# Altium PCB back3_STM32F405.PcbDoc (part 3 of 4) (continued)
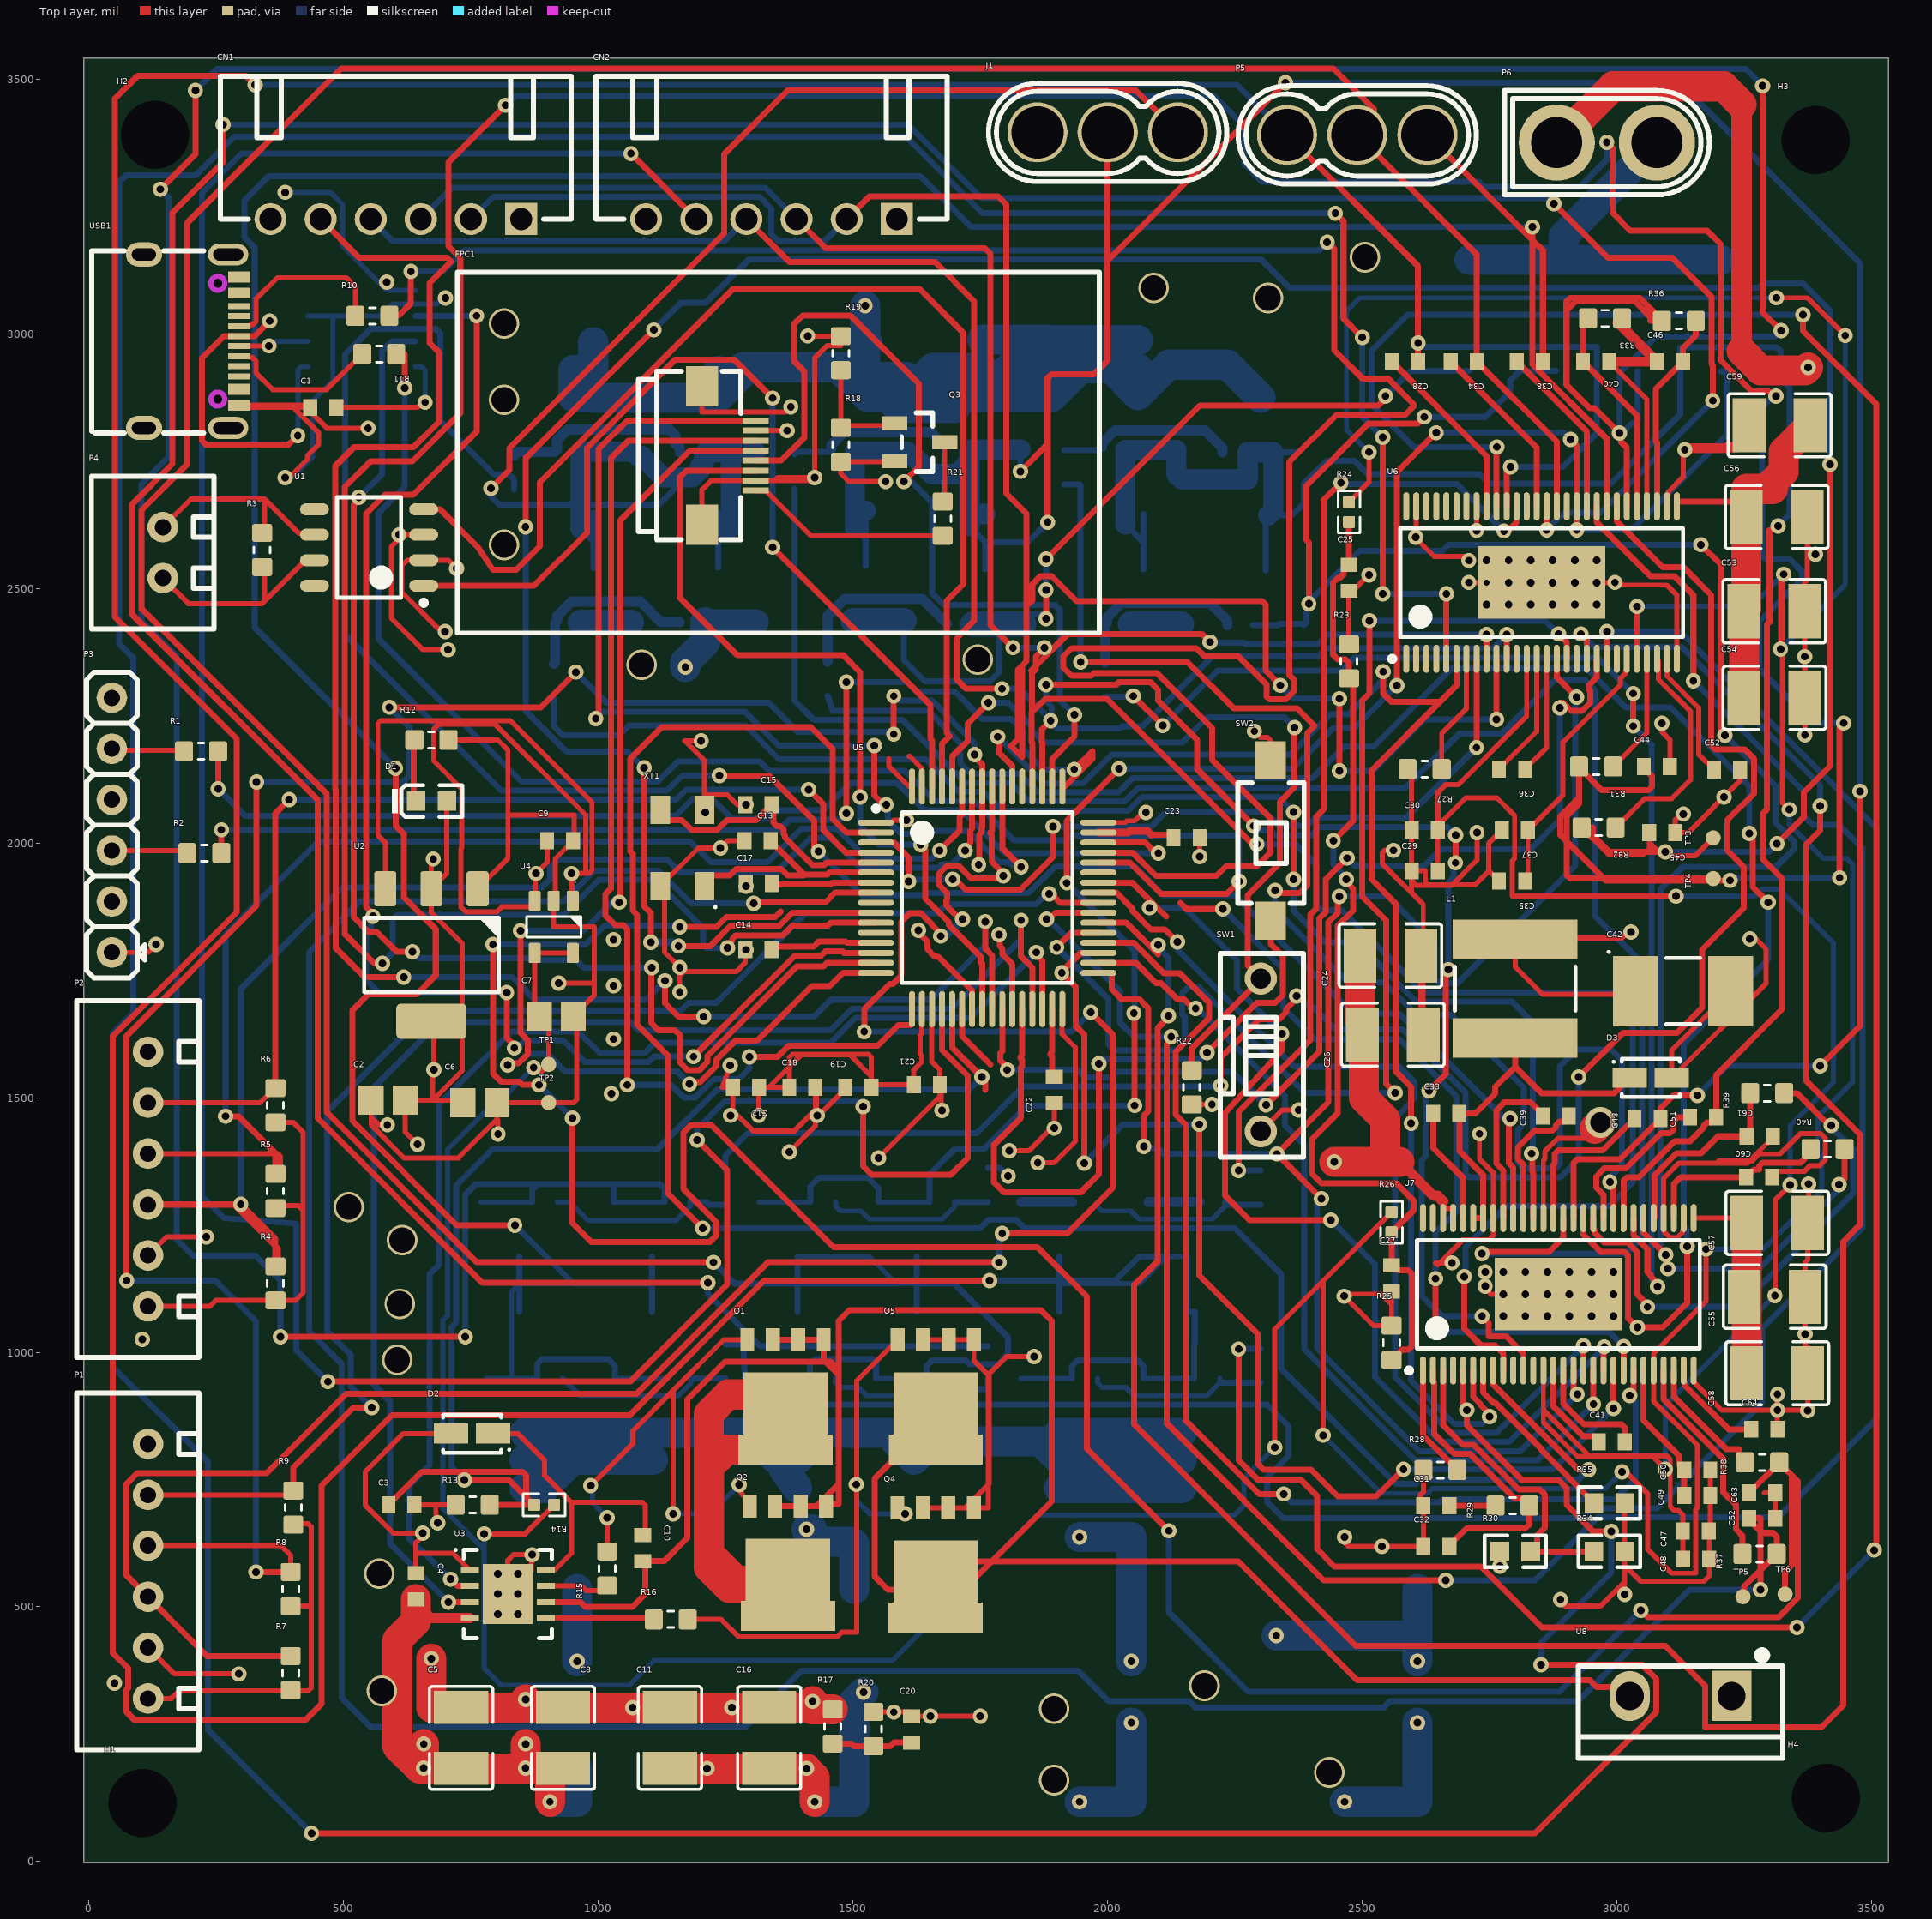
[diagram p0: Top Layer view]
## Nets (pads, with @x,y where several pads share a name; then routed paths per layer and width w, separated by ;. In a path a pad name is that pad's centre, name@x,y a point inside that pad or via, vN(x,y) a via of type N, cw(c..) or ccw(c..) an arc to the next point about the centre after c; other vN are vias at no path point) (continued)
SH_A_3: C28.1 P5.1 Q8.D Q9.S Q12.D Q13.S U6.46 | length 10811.2
  Top Layer w11.81: v1(325.99,3488.39) 307.99,3506.39 95.99,3506.39 50.99,3461.39 50.99,2443.39 289.99,2204.39 289.99,1863.39 46.99,1620.39 46.99,409.39 76.99,379.39 76.99,340.39 73.99,337.39 73.99,293.39 89.99,277.39 424.99,277.39 456.99,309.39 456.99,738.39 594.99,876.39 1061.49,876.39 1325.49,1140.39 v1(1767.99,1140.39) ; P5.1@2352.2,3390 2609.52,3132.69 v1(2609.52,2981.39) C28.1@2609.52,2945.01 ; U6.46@2783.18,2660.78 2783.18,2730.58 v1(2790.99,2738.39)
  Bottom Layer w10: Q13.S@1830,948.98 Q13.S@1880,948.98 Q13.S@1930,948.98 ; Q12.D@1905.27,1134.57 2062.48,1134.57 2115.63,1187.72 Q8.D@2155,1187.72 ; Q9.S@2070,948.98 Q9.S@2120,948.98 Q9.S@2170,948.98
  Bottom Layer w11.81: v1(325.99,3488.39) 2253.81,3488.39 P5.1@2352.2,3390 ; v1(1767.99,1140.39) Q12.D@1905.27,1140.39 ; Q12.D@1905.27,1079.45 Q12.D@1905.27,1134.57 Q12.D@1905.27,1140.39 ; Q12.D@1905.27,1187.72 Q12.D@1905.27,1140.39 ; Q13.S@1930,948.98 1930,973.39 1941,984.39 2059,984.39 2070,973.39 Q9.S@2070,948.98 ; Q8.D@2115.63,1187.72 2061.99,1187.72 2014.66,1140.39 Q12.D@1905.27,1140.39 ; Q8.D@2155,1187.72 Q8.D@2155,1134.57 Q8.D@2155,1079.45 2170.99,1079.45 2170.99,1018.39 2170,1017.4 Q9.S@2170,948.98 ; v1(2609.52,2981.39) 2616.52,2974.39 2959.99,2974.39 2959.99,2804.39 2893.99,2738.39 v1(2790.99,2738.39)
SH_B_2: C43.1 J1.2 Q14.D Q15.S Q18.S Q19.D U7.41 | length 6120.3
  Top Layer w11.81: v1(1828.78,2729.39) 1882.24,2782.85 ; v1(1882.24,2629.39) 1882.24,2782.85 ; J1.2@2000,3395 2000,3143.4 ; v1(2348.99,3492.39) 2000,3143.4 ; U7.41@2914.43,1263.45 2914.43,1371.92 2921.35,1378.84 3005.5,1378.84 3074.67,1448.02 3077.62,1448.02 3085.5,1455.89 C43.1@3085.5,1458.84 3085.5,1478.9 3110.99,1504.39 v1(3157.99,1504.39) ; v1(3398.99,1562.39) 3476.99,1640.39 v1(3476.99,2101.39) ; 1882.24,2782.85 1882.24,2913.08 1889.16,2920 1973.08,2920 1993.08,2940 2000,2946.92 2000,3143.4
  Bottom Layer w11.81: Q19.D@1503.33,2618.64 Q19.D@1525,2596.97 ; Q19.D@1525,2543.82 Q19.D@1525,2596.97 ; Q19.D@1525,2652.09 Q19.D@1525,2596.97 ; Q14.D@1728.78,2621.65 1732.44,2617.99 Q14.D@1760,2590.43 ; Q15.S@1728.78,2772.05 Q15.S@1728.78,2772.44 ; Q14.D@1760,2537.28 Q14.D@1760,2590.43 ; v1(1828.78,2729.39) 1828.78,2772.05 Q15.S@1828.78,2772.44 ; v1(1882.24,2629.39) 1843.28,2590.43 Q14.D@1760,2590.43 ; v1(2348.99,3492.39) 3122.99,3492.39 3476.99,3138.39 v1(3476.99,2101.39) ; v1(3157.99,1504.39) 3215.99,1562.39 v1(3398.99,1562.39)
  Bottom Layer w40: Q19.D@1503.33,2618.64 Q19.D@1503.33,2652.09 ; Q19.D@1525,2652.09 1512.86,2652.09 1503.33,2661.62 Q18.S@1503.33,2768.07 Q18.S@1553.33,2768.07 Q18.S@1606.92,2768.07 ; Q18.S@1603.33,2768.07 Q18.S@1606.92,2768.07 ; Q14.D@1728.78,2621.65 Q14.D@1728.78,2645.55 ; 1728.78,2740 1719.52,2740 1703.33,2723.8 1654.23,2723.8 1618.82,2759.21 1615.77,2759.21 Q18.S@1606.92,2768.07 ; Q15.S@1728.78,2772.05 1728.78,2739.03 Q14.D@1728.78,2645.55 ; Q15.S@1728.78,2772.44 Q15.S@1828.78,2772.44 ; Q14.D@1760,2645.55 Q14.D@1728.78,2645.55
SH_B_3: C34.1 P5.2 Q16.D Q17.S Q20.D Q21.S U6.41 | length 7980.5
  Top Layer w11.81: v1(1225.99,1176.39) 761.71,1176.39 466.57,1471.54 466.57,2096.49 102.99,2460.06 102.99,2653.39 191.99,2742.39 191.99,3216.87 495.51,3520.39 2442.99,3520.39 2522.99,3440.39 P5.2@2522.99,3357.02 ; P5.2@2490.01,3390 P5.2@2522.99,3357.02 ; U6.41@2881.6,2660.78 2881.6,2787.92 C34.1@2724.52,2945.01 2724.52,3099.86 2724.52,3155.49 P5.2@2522.99,3357.02
  Bottom Layer w10: Q21.S@1315.28,948.97 Q21.S@1365.28,948.97 Q21.S@1415.28,948.97 ; Q20.D@1391.22,1187.72 1532.48,1187.72 1585.63,1134.57 Q16.D@1625,1134.57 ; Q17.S@1544.72,948.97 Q17.S@1594.72,948.97 Q17.S@1644.72,948.97
  Bottom Layer w11.81: v1(1225.99,1176.39) 1267.81,1134.57 Q20.D@1391.22,1134.57 ; Q20.D@1391.22,1079.45 Q20.D@1391.22,1134.57 ; Q20.D@1391.22,1187.72 Q20.D@1391.22,1134.57 ; Q21.S@1415.28,948.97 1415.28,976.97 1424.99,986.68 1539.44,986.68 1544.72,981.39 Q17.S@1544.72,948.97 ; Q16.D@1585.63,1134.57 Q20.D@1391.22,1134.57 ; Q16.D@1625,1079.45 Q16.D@1625,1134.57 ; Q16.D@1625,1187.72 Q16.D@1625,1134.57 ; Q17.S@1644.72,948.97 1644.72,973.39 1655.72,984.39 1720.99,984.39 1728.99,976.39 1784.99,976.39 1803.99,995.39 1803.99,1029.39 1698.81,1134.57 Q16.D@1625,1134.57
SH_C_2: C51.1 J1.3 Q6.D Q7.S Q10.D Q11.S U7.36 | length 4190.5
  Top Layer w11.81: U7.36@3012.86,1263.45 3012.86,1336.3 3019.78,1343.22 3042.41,1343.22 3113.03,1413.84 3143.26,1413.84 3169.39,1439.97 3169.39,1443.89 3176.3,1450.81 3187.01,1450.81 3194.88,1458.68 C51.1@3194.88,1461.63 3194.88,1544.28 3323.99,1673.39 3323.99,1930.39 3286.99,1967.39 3286.99,2058.39 3293.99,2065.39 3293.99,2428.39 3298.99,2433.39 3298.99,2613.39 3302.32,2613.39 3311.32,2622.39 v1(3316.25,2622.39)
  Bottom Layer w11.81: Q10.D@2034.73,2625.71 Q10.D@2070,2590.43 ; Q10.D@2070,2537.28 Q10.D@2070,2590.43 ; Q10.D@2070,2645.55 Q10.D@2070,2590.43 ; Q6.D@2310,2534.72 Q6.D@2310,2587.87 ; Q6.D@2310.27,2587.87 2310.27,2638.27 Q6.D@2310,2642.99 Q6.D@2315.47,2642.99 ; Q6.D@2325,2642.99 2361.96,2642.99 2385.58,2666.61 2385.58,2706.14 2429.73,2750.3 2484.7,2750.3 2510.81,2724.19 2730.19,2724.19 2748.99,2705.39 2987.99,2705.39 3123.99,2841.39 3123.99,2973.39 3312.89,2973.39 3320.89,2965.39 3320.89,2911.21 3339.12,2892.99 3339.12,2645.79 3316.25,2622.91 v1(3316.25,2622.39) ; Q7.S@2325,2766.81 Q7.S@2375,2766.81
  Bottom Layer w15: Q6.D@2315.47,2642.99 Q6.D@2325,2642.99
  Bottom Layer w40: Q10.D@2034.73,2625.71 2034.73,2645.55 Q11.S@2034.73,2771.54 Q11.S@2084.73,2771.54 Q11.S@2134.73,2771.54 2134.73,2724.37 2145,2714.1 2275,2714.1 Q7.S@2275,2766.81 Q7.S@2325,2766.81 2325,2652.52 Q6.D@2315.47,2642.99
SH_C_3: C38.1 P5.3 Q24.S Q25.D Q28.S Q29.D U6.36 | length 7628.7
  Top Layer w11.81: v1(601.99,2146.39) 601.99,2033.39 617.99,2017.39 617.99,1893.39 680.99,1830.39 680.99,1740.39 643.27,1702.67 548.27,1702.67 516.99,1671.39 516.99,1454.39 721.99,1249.39 v1(835.99,1249.39) ; P5.3@2627.79,3390 2833.99,3183.81 ; v1(2833.99,3209.39) 2833.99,3183.81 ; C38.1@2854.52,2945.01 2854.52,3163.28 2833.99,3183.81 ; U6.36@2980.03,2660.78 2980.03,2793.51 2833.99,2939.55 2833.99,3183.81
  Bottom Layer w10: Q28.S@780,948.98 Q28.S@830,948.98 ; Q28.S@880,948.98 Q28.S@830,948.98 ; Q24.S@1032.65,948.97 Q24.S@1082.65,948.97 Q24.S@1132.65,948.97 ; Q25.D@1105.27,1134.57 Q29.D@845,1134.57 830,1119.57 Q28.S@830,948.98
  Bottom Layer w11.81: v1(601.99,2146.39) 324.99,2423.39 324.99,3169.3 305,3189.29 305,3261.49 352.9,3309.39 1631.99,3309.39 1731.99,3209.39 v1(2833.99,3209.39) ; v1(835.99,1249.39) 950.81,1134.57 Q25.D@1105.27,1134.57 ; Q29.D@845,1079.45 Q29.D@845,1134.57 Q29.D@845,1187.72 ; Q28.S@880,948.98 880,977.4 888.99,986.39 1019.65,986.39 1032.65,973.39 Q24.S@1032.65,948.97 ; Q25.D@1105.27,1079.45 Q25.D@1105.27,1134.57 ; Q25.D@1105.27,1187.72 Q25.D@1105.27,1134.57
SL_B_2: Q14.S Q19.S R39.1 R44.2 U7.39 | length 2808.4
  Top Layer w11.81: v1(1878.99,2440.39) v1(1878.99,2496.91) ; v1(1878.99,2557.24) 2180.67,2858.92 2531.27,2858.92 2538.19,2865.84 2538.19,2870.03 v1(2545.55,2877.39) ; U7.39@2953.8,1263.45 2953.8,1241.8 2955.68,1239.92 2955.68,1234.42 2974.28,1215.82 3021.02,1215.82 3039.62,1197.22 3039.62,1114.05 3059.91,1093.77 v1(3059.91,1088.84) ; R39.1@3328.37,1508.84 3353.08,1508.84 3416.43,1445.5 v1(3420.39,1445.5)
  Bottom Layer w11.81: Q19.S@1600,2436.54 1600,2358.38 1640.99,2317.39 1768.99,2317.39 1786.99,2335.39 1786.99,2412 1768.99,2430 Q14.S@1735,2430 ; Q14.S@1835,2430 1835,2449.39 1868.99,2449.39 1877.99,2440.39 v1(1878.99,2440.39) ; v1(1878.99,2496.91) v1(1878.99,2557.24) ; v1@2545.99,2877.39 v1(2545.55,2877.39) 2594.65,2926.5 R44.2@2710,2926.5 ; v1(3059.91,1088.84) 3240.44,1088.84 3463.89,1312.3 3463.89,1398.03 3420.39,1441.54 v1(3420.39,1445.5)
  Bottom Layer w50: Q19.S@1500,2436.54 Q19.S@1600,2436.54 ; Q14.S@1735,2430 Q14.S@1835,2430
  other v1: 2545.55,2877.39
SL_B_3: Q16.S Q20.S R41.2 U6.39 | length 3780.6
  Top Layer w11.81: v1(1919.99,1921.39) 1919.99,2043.39 v1(2022.28,2145.68) ; v1(2051.39,1666.04) 2052.99,1664.44 v1(2052.99,1484.39) ; v1(2567.99,2309.22) 2567.99,2728.39 v1(2644.99,2805.39) ; v1(2908.99,2792.39) 2920.97,2780.41 U6.39@2920.97,2660.78 v1(2920.97,2614.39)
  Bottom Layer w10: Q20.S@1316.22,1295 Q20.S@1366.22,1295 Q20.S@1416.22,1295 ; Q16.S@1550,1295 Q16.S@1600,1295 Q16.S@1650,1295
  Bottom Layer w11.81: Q20.S@1416.22,1295 1416.22,1325.62 1432.99,1342.39 1528.99,1342.39 1550,1321.38 Q16.S@1550,1295 ; Q16.S@1650,1295 1650,1349.39 1700,1399.39 1756.99,1399.39 1841.99,1484.39 v1(2052.99,1484.39) ; v1(1919.99,1921.39) 2052.99,1788.39 2052.99,1667.64 v1(2051.39,1666.04) ; v1(2022.28,2145.68) 2363.02,2145.68 2442.91,2225.58 2484.34,2225.58 v1(2567.99,2309.22) ; v1(2644.99,2805.39) 2895.99,2805.39 v1(2908.99,2792.39) ; v1(2920.97,2614.39) 3028.99,2614.39 3214.99,2800.39 3214.99,2925.62 R41.2@3204.39,2925.62
SL_C_2: Q6.S Q10.S R40.1 R43.2 U7.34 | length 4282.3
  Top Layer w11.81: v1(2395,2470) 2395,2589.66 2390,2594.66 2390,2701.4 2511.89,2823.3 2608.89,2823.3 v1(2621.99,2836.39) ; v1(3095.99,1191.23) 3052.23,1234.99 ; v1(3099.91,1163.84) 3096.43,1167.32 3096.43,1190.79 3052.23,1234.98 ; v1(3164.99,2585.39) 3203.99,2546.39 3203.99,2219.39 v1(3211.99,2211.39) ; v1(3435.84,1329.39) 3446.84,1340.39 R40.1@3446.84,1398.84 ; 3052.23,1234.98 U7.34@3052.23,1263.45 3052.23,1234.99
  Bottom Layer w11.81: Q6.S@2285,2427.44 Q6.S@2335,2427.44 2337.56,2430 2382.44,2430 Q6.S@2385,2427.44 2390,2432.44 2390,2453.39 2393.62,2457.01 2393.62,2472.3 2494.41,2573.09 2656.88,2573.09 2669.18,2585.39 v1(3164.99,2585.39) ; v1(2621.99,2836.39) 2740.99,2836.39 2789.99,2885.39 2789.99,2907.5 2808.99,2926.5 R43.2@2880,2926.5 ; v1(3095.99,1191.23) 3085.8,1201.42 3085.8,1909.39 3129.71,1953.3 3312.51,1953.3 3348.6,1989.39 3348.6,2001.88 3311.08,2039.4 3311.08,2112.3 v1(3211.99,2211.39) ; v1(3099.91,1163.84) 3279.35,1163.84 3435.84,1320.33 v1(3435.84,1329.39)
  Bottom Layer w50: Q10.S@2045,2430 Q10.S@2145,2430
SL_C_3: Q25.S Q29.S R36.1 R42.2 U6.34 | length 9133.8
  Top Layer w11.81: v1(139.99,3283.39) 208.83,3352.24 v1(208.83,3477.39) ; v1(375.99,1030.39) v1(738.99,1030.39) ; 2900.74,3045.39 2919.74,3064.39 3033.99,3064.39 3064.99,3033.39 3064.99,3025 R36.1@3088.07,3025 ; v1(3286.08,3486.39) 3286.08,3041.68 v1(3321.99,3005.77)
  Top Layer w12: U6.34@3019.4,2660.78 3019.4,2775.73 3008.44,2786.68 3008.44,2801.56 v1(3005,2805) 2956.15,2853.85 2946.15,2853.85 2900.74,2899.26 2900.74,3045.39 2900.74,3062.97 2907.77,3070 3045.04,3070 3088.07,3026.97 R36.1@3088.07,3025
  Bottom Layer w10: Q29.S@770,1295 Q29.S@820,1295 Q29.S@870,1295 ; Q25.S@1030.27,1295 Q25.S@1080.27,1295 Q25.S@1130.27,1295
  Bottom Layer w11.81: v1(139.99,3283.39) 155.99,3267.39 155.99,2757.39 102.99,2704.39 102.99,2436.39 171.99,2367.39 171.99,1221.39 203.99,1189.39 326.99,1189.39 375.99,1140.39 v1(375.99,1030.39) ; v1(208.83,3477.39) 250.83,3519.39 3253.08,3519.39 v1(3286.08,3486.39) ; v1(738.99,1030.39) 738.99,1309.39 759.99,1330.39 880.99,1330.39 ; Q29.S@870,1295 870,1319.4 880.99,1330.39 ; Q25.S@1030.27,1295 1030.27,1330.39 ; Q25.S@1130.27,1295 1130.27,1321.1 1120.99,1330.39 1030.27,1330.39 ; R42.2@3040.56,2925.62 3040.56,2830.98 3033.64,2824.06 3028.98,2824.06 3009.92,2805 v1(3005,2805) 3005,2922.4 3076.99,2994.39 3310.6,2994.39 v1(3321.99,3005.77) ; 880.99,1330.39 1030.27,1330.39
SPI_MISO_1: CN1.3 CN2.3 U5.52 U6.9 U7.9 | length 5826.5
  Top Layer w11.81: CN2.3@1389.21,3225 1446.82,3167.39 1758.99,3167.39 1769.99,3156.39 1769.99,2427.39 v1(1813.99,2383.39) ; 1850,2338.67 1855.85,2344.53 1858.99,2347.66 ; U5.52@1852.09,2110.87 1852.09,2196.48 1850.46,2198.1 1850.46,2255.77 1851.52,2256.83 ; v1(1875.99,2383.39) 1858.99,2366.39 1858.99,2347.66 ; v1(2200.99,2394.39) 2184.99,2410.39 1921.72,2410.39 1858.99,2347.66 ; v1(2292.99,1997.39) 2284.28,1997.39 1998.57,2283.11 1877.8,2283.11 1851.52,2256.83 ; v1(2699.99,1148.48) 2699.99,1046.39 2733.32,1013.06 2760.97,1013.06 2776.64,997.39 U7.9@2776.64,964.24 ; U6.9@2743.81,2361.57 2743.81,2409.21 v1(2743.99,2409.39) ; 1851.52,2256.83 1851.52,2333.92 1858.99,2341.39 1858.99,2347.66
  Bottom Layer w11.81: CN1.3@651.58,3225 712.79,3286.21 1328,3286.21 CN2.3@1389.21,3225 ; v1(1813.99,2383.39) v1(1875.99,2383.39) ; v1(2200.99,2394.39) 2202.48,2392.9 2267.35,2392.9 2269.71,2390.53 2412.81,2390.53 2431.66,2409.39 v1(2743.99,2409.39) ; v1(2292.99,1997.39) 2368.99,1997.39 2409.27,1957.11 2409.27,1878.11 2419.4,1867.98 2459.16,1867.98 2620.46,1706.67 3002.13,1706.67 3030.99,1677.81 3030.99,1333.39 2984.99,1287.39 2782.99,1287.39 2702.89,1207.3 2702.89,1151.39 v1(2699.99,1148.48)
SPI_MOSI_1: CN1.2 CN2.2 U5.53 U6.10 U7.10 | length 3922.7
  Top Layer w11.81: CN2.2@1487.64,3225 1532.03,3269.39 1784.99,3269.39 1800.99,3253.39 1800.99,2686.39 1840.89,2646.48 1840.89,2470 ; v1(2338.99,2309.39) 2310,2338.38 2310,2468.08 2303.08,2475 1938.94,2475 1890.13,2523.81 1867.84,2523.81 1852.08,2508.05 1852.08,2476.92 1845.16,2470 1840.89,2470 ; v1(2454.99,2141.39) v1(2454.99,2283.39) ; v1(2763.49,2242.06) v1(2763.49,2242.39) U6.10@2763.49,2361.57 ; 1831.84,2348.04 1840.89,2357.09 1840.89,2470 ; 1831.84,2348.04 1823.89,2340.09 1823.89,2203.89 1810,2190 1831.84,2168.16 1831.84,2348.04
  Bottom Layer w11.81: CN1.2@750,3225 793.4,3268.4 1316.98,3268.4 1339.99,3245.39 1339.99,3195.39 1353.78,3181.6 1444.24,3181.6 CN2.2@1487.64,3225 ; v1(2338.99,2309.39) 2364.99,2283.39 v1(2454.99,2283.39) ; v1(2454.99,2141.39) 2520.99,2141.39 2621.99,2242.39 v1(2763.49,2242.39)
SPI_SCK_1: CN1.4 CN2.4 U5.51 U6.11 U7.11 | length 5720.1
  Top Layer w11.81: CN2.4@1290.79,3225 1375.4,3140.39 1660.99,3140.39 1737.99,3063.39 1737.99,2436.8 1703.09,2401.91 1703.09,2321.28 1721.65,2302.73 v1(1792.68,2302.73) ; U5.51@1871.77,2110.87 1871.77,2196.43 1871.21,2196.99 1871.21,2223.08 v1(1888.13,2240) ; v1(1878.99,2310.39) 2016.99,2310.39 2021.99,2315.39 2084.57,2315.39 2099.11,2300.85 2099.11,2279.27 2175.99,2202.39 2175.99,2144.39 v1(2286.99,2033.39) ; v1(2630.99,1513.39) 2663.99,1546.39 2663.99,1746.39 v1(2668.99,1751.39) ; v1(2682.76,1960.93) 2682.87,1961.05 2682.87,2015.28 v1(2682.99,2015.39) ; v1(2734.99,1070.39) 2747.99,1057.39 2747.99,1030.87 2782.52,1030.87 2816.01,997.39 U7.11@2816.01,964.24 ; U6.11@2783.18,2361.57 v1(2783.18,2409.39)
  Bottom Layer w11.81: CN1.4@553.15,3225 596.55,3181.6 1247.39,3181.6 CN2.4@1290.79,3225 ; v1(1792.68,2302.73) 1827.27,2302.73 v1@1890,2240 ; v1(1878.99,2310.39) 1879.55,2309.82 1879.55,2277.67 1890,2267.23 v1@1890,2240 ; v1(2286.99,2033.39) 2295.99,2024.39 2319.99,2024.39 2328.99,2015.39 2399.99,2015.39 2415.99,2031.39 2666.99,2031.39 v1(2682.99,2015.39) ; v1(2630.99,1513.39) 2623.99,1506.39 2623.99,1384.39 2616.99,1377.39 2616.99,1110.39 2656.99,1070.39 v1(2734.99,1070.39) ; v1(2668.99,1751.39) 2668.99,1922.31 2679.28,1932.6 2679.28,1957.45 v1(2682.76,1960.93) ; v1(2783.18,2409.39) 2756.18,2382.39 2429.85,2382.39 2414.95,2367.48 2207.03,2367.48 2068.96,2229.41 2029.01,2229.41 2024.18,2224.58 1900.42,2224.58 1890,2235 v1@1890,2240
SRC_CS_1: FPC1.8 U5.55 | length 2080.9
  Top Layer w11.81: v1(994.99,2244.11) 1000.71,2249.83 1000.71,2773.44 1056.7,2829.43 FPC1.8@1308.97,2829.43 ; v1(1541.99,2191.39) 1541.99,2093.26 1560.25,2075 v1(1565,2075) ; U5.55@1793.03,2110.87 1793.03,1990.07 v1(1830,1953.09)
  Bottom Layer w11.81: v1(994.99,2244.11) 1008.18,2257.3 1288.08,2257.3 1353.99,2191.39 v1(1541.99,2191.39) ; v1(1565,2075) 1568.48,2071.52 1568.48,2043.47 1593.86,2018.09 1616.64,2018.09 1621.84,2023.3 1725.6,2023.3 1786.71,1962.19 1806.15,1962.19 1811.76,1956.57 1826.52,1956.57 v1(1830,1953.09)
SRC_RES_1: FPC1.3 U5.24 | length 1614.9
  Top Layer w11.81: FPC1.3@1308.97,2731 1172.99,2731 1159.99,2718 1159.99,2481.39 1272.99,2368.39 1480.99,2368.39 1513.99,2335.39 v1(1513.99,2090.39) ; v1(1632.99,1996.39) 1641.99,1987.39 1641.99,1890.31 1688.09,1844.2 1688.09,1838.86 1750.16,1776.79 1750.16,1766.45 1753.66,1762.95 U5.24@1753.66,1673.86
  Bottom Layer w11.81: v1(1513.99,2090.39) 1513.99,2032.39 1549.99,1996.39 v1(1632.99,1996.39)
SRC_RS_1: FPC1.4 U5.50 | length 1748.6
  Top Layer w11.81: FPC1.4@1308.97,2750.69 1359.29,2750.69 1404.89,2796.3 1404.89,2925.48 1383.99,2946.39 1383.99,3018.39 1400.99,3035.39 1494.99,3035.39 1628.99,2901.39 1628.99,2738.39 v1(1599.99,2709.39) ; U5.50@1891.46,2110.87 1891.46,2164.96 1935,2208.51 v1(1935,2251.48)
  Bottom Layer w11.81: v1(1599.99,2709.39) 1613.99,2709.39 1654.99,2668.39 1654.99,2490.99 1678.59,2467.39 1896.99,2467.39 1905.89,2458.48 1905.89,2280.59 v1(1935,2251.48)
SRC_SCL_1: FPC1.6 U5.17 | length 2232.7
  Top Layer w11.81: v1(1056.99,1524.86) 1056.99,1830.39 1048.99,1838.39 1032.99,1838.39 1013.99,1857.39 1013.99,1899.39 1024.99,1910.39 1024.99,2755.62 1059.43,2790.06 FPC1.6@1308.97,2790.06 ; v1(1296.6,1580) 1330,1580 1351.95,1580 1373.85,1601.91 1548.65,1601.91 1588.74,1642 1613.53,1642 1615.86,1644.33 U5.17@1615.86,1673.86
  Bottom Layer w11.81: v1(1056.99,1524.86) 1142.97,1524.86 1168.06,1499.77 1190.35,1499.77 1227.07,1536.48 1275.69,1536.48 1296.6,1557.39 v1(1296.6,1580)
SRC_SDA_1: FPC1.5 U5.16 | length 2442.1
  Top Layer w11.81: v1(821.74,1563.9) 825.22,1567.38 843.08,1567.38 861.92,1586.22 861.92,1612.03 846.99,1626.96 v1(846.99,1827.39) ; v1(1040.99,1883.39) 1042.99,1885.39 1042.99,2633.39 1179.97,2770.37 FPC1.5@1308.97,2770.37 ; v1(1179.21,1526.67) 1182.69,1530.15 1199.9,1530.15 1232.08,1562.34 1232.08,1574.53 1269.38,1611.84 1311.84,1611.84 1335,1635 1419.12,1719.12 1454.49,1719.12 1480.1,1744.73 U5.16@1545,1744.73
  Bottom Layer w11.81: v1(821.74,1563.9) 825.22,1567.38 843.08,1567.38 861.81,1586.11 899.86,1586.11 934.2,1551.77 1154.11,1551.77 v1(1179.21,1526.67) ; v1(846.99,1827.39) 970.78,1827.39 1026.78,1883.39 v1(1040.99,1883.39)
SWCLK_1: R2.2 U5.49 | length 2263.8
  Top Layer w11.81: R2.2@260,1980 v1(260,2025.67) ; v1(1486.99,2058.39) v1(1486.99,2315.77) ; U5.49@1911.14,2110.87 1913.51,2108.5 v1@1941.9,2136.89 ; v1(1934.39,2144.39) v1@1941.9,2136.89 ; v1(1934.39,2144.39) v1@1941.9,2136.89 ; v1(1934.39,2144.39) v1@1941.9,2136.89 ; v1(1934.39,2144.39) 1970,2180 1970,2164.99 v1@1941.9,2136.89
  Bottom Layer w11.81: v1(260,2025.67) 1355.16,2025.67 1375.41,2045.92 1474.52,2045.92 v1(1486.99,2058.39) ; v1(1486.99,2315.77) 1606.8,2315.77 1625.47,2297.11 1699.7,2297.11 1753.42,2243.39 1810.99,2243.39 1833.53,2220.85 1833.53,2184.47 1873.61,2144.39 v1(1934.39,2144.39)
SWDIO_1: R1.2 U5.46 | length 2178.7
  Top Layer w11.81: v1(253.46,2106.39) R1.2@253.46,2180 ; U5.46@1982.01,2000.63 2073.8,2000.63 v1@2094.43,1980
  Bottom Layer w11.81: v1(253.46,2106.39) 306.46,2053.39 1151.99,2053.39 1185.5,2086.91 1223.47,2086.91 1262.99,2047.39 1330.3,2047.39 1346.64,2063.73 1441.33,2063.73 1495.1,2117.5 1586.72,2117.5 1639.94,2064.29 1713.57,2064.29 1797.86,1980 v1(2099.35,1980)
TXD_1: U5.14 U9.6 | length 2783.6
  Top Layer w11.81: v1(557.35,1855.81) 557.35,1860.73 543.99,1874.09 543.99,2646.39 580.99,2683.39 636.99,2683.39 760.99,2807.39 v1(760.99,3035) ; v1(819.99,1706.39) 819.99,1617.31 835.01,1602.29 v1(835.01,1597.37) ; v1(1186.99,1580.48) 1313.91,1707.4 1314.35,1707.4 1385.74,1778.79 1437.68,1778.79 1445.62,1786.73 1479.53,1786.73 1482.16,1784.1 U5.14@1545,1784.1
  Bottom Layer w11.81: v1(557.35,1855.81) 553.87,1852.33 553.87,1827.07 543.99,1817.18 543.99,1731.39 568.99,1706.39 v1(819.99,1706.39) ; U9.6@641.22,3035 v1(760.99,3035) ; v1(835.01,1597.37) 839.94,1597.37 854.76,1612.19 931.19,1612.19 973.8,1569.58 1098.37,1569.58 1109.27,1580.48 v1(1186.99,1580.48)
USB_DM_1: R11.2 U5.44 | length 2886.9
  Top Layer w11.81: R11.2@603.46,2960 619.99,2960 v1(619.99,2893.39) ; U5.44@1982.01,1961.26 2043.36,1961.26 2104.62,1900 2233.6,1900 v1(2257.99,1924.39)
  Bottom Layer w11.81: v1(619.99,2893.39) 619.99,2699.39 568.99,2648.39 568.99,2400.39 848.89,2120.48 1116.89,2120.48 1156.07,2159.66 1317.31,2159.66 1335.39,2141.58 1601.56,2141.58 1661.04,2082.1 1738.63,2082.1 1815.24,2005.48 1919.89,2005.48 1928.8,2014.39 2256.99,2014.39 2257.99,2013.39 v1(2257.99,1924.39)
USB_DP_1: R10.2 U5.45 | length 4661.8
  Top Layer w11.81: R10.2@590,3035 590,3036.39 608.99,3036.39 632.13,3059.53 v1(632.13,3122.39) ; U5.45@1982.01,1980.95 2048.86,1980.95 2094.81,1935 2174.72,1935 2213.5,1935 2232.99,1954.48 2292.99,1954.48 2319.89,1981.39 2319.89,2047.85 2204.81,2162.93 2204.81,2225.39 2096.41,2333.8 1973.27,2333.8 1967.86,2328.39 1928.99,2328.39 1912.99,2344.39 1912.99,2366.39 1928.99,2382.39 2174.08,2382.39 2188.99,2367.48 2255.71,2367.48 2312.08,2311.11 2312.08,2287.39 2317.55,2281.92 2349.88,2281.92 2365.89,2297.93 2365.89,2320.53 2356.8,2329.63 2356.8,2748.2 2449.71,2841.11 2584.71,2841.11 2600.99,2857.39 2600.99,2861.39 2550.99,2911.39 2500.99,2911.39 2445.28,2967.1 2445.28,3167.1 2432.99,3179.39 v1(2430.99,3179.39)
  Bottom Layer w11.81: v1(632.13,3122.39) 694.99,3122.39 736.38,3163.79 2415.38,3163.79 v1(2430.99,3179.39)
VBUS_S_1: C20.2 R17.1 R20.2 U5.22 | length 292
  Top Layer w11.81: R17.1@1460,231.53 1496.99,231.53 1501.99,226.54 R20.2@1540,226.54 1572.99,226.54 1580.27,233.82 C20.2@1615,233.82 ; U5.22@1714.29,1673.86 1714.29,1620.71 1770,1565
VCC: C2.2 C4.2 C6.2 C12.2 C18.2 C19.2 C21.2 CN1.1 CN2.1 D1.A D2.A FPC1.7 P1.1 P2.1 P3.2 Q3.2 R4.2 R5.2 R6.2 R7.2 R8.2 R9.2 R18.2 R22.2 U1.3 U2.2 U2.4 U3.1 U5.1 U5.19 U5.32 U5.48 U5.64 U6.49 U7.49 U9.5 | length 6377.6
  Top Layer w10: P1.1@116.12,320 161.82,320 176.82,335 394.58,335 R7.2@396.12,336.54 397.65,335 430.56,335 436.42,340.86 436.42,501.54 ; P2.1@116.12,1090 237.27,1090 248.81,1101.54 R4.2@366.12,1101.54 405.26,1101.54 420.78,1117.06 420.78,1278.09 ; R5.2@366.12,1283.07 371.12,1288.07 410.8,1288.07 420.78,1278.09 ; R6.2@366.12,1451.54 400.8,1451.54 420.78,1431.56 420.78,1278.09 ; R8.2@396.12,501.54 436.42,501.54 ; R9.2@401.12,661.54 402.65,663.07 430.56,663.07 436.42,657.21 436.42,501.54 ; v1(608.74,2605) U1.3@657.28,2605 ; v1@616.99,2605 593.99,2582 593.99,2441.01 655.61,2379.39 v1(704.99,2379.39) ; C4.2@642.2,565.84 642.2,605.25 642.2,626.19 651.45,635.44 651.45,639.64 v1@650.85,640.25 ; 642.2,604.62 642.83,605.25 714.84,605.25 U3.1@747.59,572.49 ; v1(644.99,1408.39) 620.85,1432.52 C2.2@620.85,1495.01 674.89,1495.01 ; v1(655.28,644.68) v1@650.85,640.25 ; U2.4@672.39,1650.09 677.39,1645.09 v1(677.39,1555.01) 674.89,1552.51 674.89,1495.01 ; v1(675.99,1968.39) 672.39,1968.39 U2.2@672.39,1909.93 ; D1.A@702.71,2082.14 702.71,1940.25 U2.2@672.39,1909.93 ; D2.A@710.86,840.25 617.2,840.25 542.2,765.25 542.2,699.89 597.41,644.68 646.41,644.68 v1@650.85,640.25 ; C6.2@733.93,1490.01 728.93,1495.01 674.89,1495.01 ; v1(1258.99,1563.39) 1245.55,1526.95 1242.99,1520 C12.2@1264.41,1520 ; v1(1260,1465) 1264.41,1469.41 C12.2@1264.41,1520 ; FPC1.7@1308.97,2809.74 1354.64,2809.74 1354.99,2809.39 v1(1370.99,2809.39) ; v1(1374.99,1393.39) 1426.18,1444.58 C18.2@1426.18,1520 ; C19.2@1485,1520 1485,1517.05 1432.95,1465 v1(1430,1465) 1428.09,1466.91 1428.09,1518.09 C18.2@1426.18,1520 ; v1(1549.99,1381.39) 1670.59,1501.99 C21.2@1670.59,1525 ; U5.1@1550,2040 1575.02,2040 1580.02,2045 v1(1605,2045) ; v1(1563.99,2709.39) 1492.03,2709.39 1476.03,2725.39 R18.2@1476.03,2748.17 1476.56,2748.7 1581.28,2748.7 Q3.2@1581.81,2749.23 ; 1570,2165 1570,2150.86 1609.86,2111 1612.36,2113.5 1613.15,2114.29 U5.64@1613.86,2114.29 ; U5.64@1613.86,2110.87 U5.64@1616.98,2110.87 ; U5.19@1655.24,1673.86 1654.89,1673.51 1654.89,1635.03 1654.67,1634.81 1654.67,1570.33 1670.59,1554.41 C21.2@1670.59,1525 ; v1(1675,1475) 1672.8,1477.2 1672.8,1501.99 1672.8,1522.8 C21.2@1670.59,1525 ; v1(1862.94,1371.87) 1894.58,1371.87 1936.58,1413.87 1936.58,1598.64 1910.58,1624.64 U5.32@1910.58,1668.56 ; U5.32@1909.48,1669.65 U5.32@1910.58,1668.56 ; U5.48@1982.01,2040 2034.02,2040 2037.44,2043.43 2053.01,2043.43 2069.59,2060 v1(2075,2060) ; R22.2@2165,1486.54 v1(2204.69,1486.54) ; v1(2675.99,1175.39) 2651.99,1175.39 ; v1(2724.12,2613.22) U6.49@2724.12,2660.78 ; v1(2729.91,1428.84) 2729.91,1379.44 2756.95,1352.4 U7.49@2756.95,1263.45 2756.95,1229.39 2747.95,1220.39 2696.99,1220.39 2651.99,1175.39 ; U2.2@672.39,1909.93 672.39,1862.9 732.99,1802.3 732.99,1553.01 674.99,1495.01 674.89,1495.01 ; C12.2@1264.41,1520 1264.41,1473.97 1303.8,1434.58 1384.99,1434.58 1426.18,1475.77 C18.2@1426.18,1520 ; U5.32@1910.58,1668.56 U5.32@1910.58,1672.18 ; U5.32@1910.58,1672.18 1912.26,1673.86 U5.32@1910.58,1672.18 ; 2651.99,1175.39 2647.89,1171.3 2643.99,1175.2 2643.99,1175.39 2651.99,1175.39
  Bottom Layer w10: v1(384.99,3277.39) 473.99,3277.39 497.99,3253.39 497.99,3172 584.99,3085 592.9,3085 ; v1(584.51,3101) 584.51,3093.39 592.9,3085 ; U9.5@641.22,3085 592.9,3085
  other v1: 1025.45,1507.5 1030,1615 1030,1720 1030,1810
  other v4: 50,350
pads on no net: H1.1 H2.1 H3.1 H4.1 Q1.7 Q1.9 Q1.10 Q1.11 Q2.7 Q2.9 Q2.10 Q2.11 Q4.7 Q4.9 Q4.10 Q4.11 Q5.7 Q5.9 Q5.10 Q5.11 Q6.7 Q6.9 Q6.10 Q6.11 Q7.7 Q7.9 Q7.10 Q7.11 Q8.7 Q8.9 Q8.10 Q8.11 Q9.7 Q9.9 Q9.10 Q9.11 Q10.7 Q10.9 Q10.10 Q10.11 Q11.7 Q11.9 Q11.10 Q11.11 Q12.7 Q12.9 Q12.10 Q12.11 Q13.7 Q13.9 Q13.10 Q13.11 Q14.7 Q14.9 Q14.10 Q14.11 Q15.7 Q15.9 Q15.10 Q15.11 Q16.7 Q16.9 Q16.10 Q16.11 Q17.7 Q17.9 Q17.10 Q17.11 Q18.7 Q18.9 Q18.10 Q18.11 Q19.7 Q19.9 Q19.10 Q19.11 Q20.7 Q20.9 Q20.10 Q20.11 Q21.7 Q21.9 Q21.10 Q21.11 Q22.7 Q22.9 Q22.10 Q22.11 Q23.7 Q23.9 Q23.10 Q23.11 Q24.7 Q24.9 Q24.10 Q24.11 Q25.7 Q25.9 Q25.10 Q25.11 Q26.7 Q26.9 Q26.10 Q26.11 Q27.7 Q27.9 Q27.10 Q27.11 Q28.7 Q28.9 Q28.10 Q28.11 Q29.7 Q29.9 Q29.10 Q29.11 R1.0 R2.0 R3.0 R4.0 R5.0 R6.0 R7.0 R8.0 R9.0 R10.0 R11.0 R12.0 R13.0 R14.0 R15.0 R16.0 R17.0 R18.0 R19.0 R20.0 R21.0 R22.0 R23.0 R24.0 R25.0 R26.0 R27.0 R28.0 R29.0 R31.0 R32.0 R33.0 R36.0 R37.0 R38.0 R39.0 R40.0 R45.0 R46.0 R47.0 R48.0 R49.0 R50.0 R51.0 R52.0 R53.0 R54.0 R55.0 R56.0 U1.5 U1.8 U2.0 U4.0 U6.1 U6.2 U6.3 U6.4 U6.50 U6.51 U6.52 U6.53 U6.54 U6.56 U7.4 U7.55 U7.56 U9.4 USB1.2 USB1.3 USB1.4 USB1.9 USB1.10 USB1.11
copper on no net:
  other v1: 105,1025
  other v3: 2505,3150

## Polygon pours and split planes (outlines as drawn)
PGND on GND02 (split plane): 3364.9,3217.89 3364.9,3087.11 3347.89,3070.1 2450,3070.1 2448.05,3069.71 2446.4,3068.61 2406.4,3028.61 2405.29,3026.95 2404.9,3025 2404.9,2310 2404.9,2277.11 2381.4,2253.61 2380.29,2251.95 2379.9,2250 2379.9,1047.11 2331.4,998.61 2330.29,996.95 2329.9,995 2329.9,405 2330.29,403.05 2331.4,401.4 2411.4,321.4 2413.05,320.29 2415,319.9 2650,319.9 2651.95,320.29 2653.61,321.4 2782.11,449.9 3307.89,449.9 3324.9,432.89 3324.9,327.11 3177.89,180.1 3090,180.1 3088.05,179.71 3086.4,178.61 3006.4,98.61 3005.29,96.95 3004.9,95 3004.9,67.11 2987.89,50.1 682.11,50.1 515.1,217.11 515.1,1277.89 627.11,1389.9 2225,1389.9 2226.95,1390.29 2228.61,1391.4 2243.61,1406.4 2244.71,1408.05 2245.1,1410 2245.1,2225 2244.71,2226.95 2243.61,2228.61 2198.61,2273.61 2196.95,2274.71 2195,2275.1 772.11,2275.1 765.1,2282.11 765.1,3047.89 787.11,3069.9 2245,3069.9 2246.95,3070.29 2248.61,3071.4 2407.11,3229.9 3352.89,3229.9
AGND on GND02 (split plane): 3513.21,18.06 10.1,18.06 10.1,3521.18 3513.21,3521.18
+5 on PWR03 (split plane): 244.91,1830.82 244.91,1420 244.91,1043.89 245.26,1041.28 246.27,1038.85 247.87,1036.76 304.91,979.72 304.91,305 305.26,302.39 306.27,299.96 307.87,297.87 312.87,292.87 314.96,291.27 317.39,290.26 320,289.91 355.82,289.91 464.91,180.82 464.91,149.18 440.82,125.09 379.18,125.09 210.09,294.18 210.09,1115 209.74,1117.61 209.45,1118.32 208.74,1120.04 207.13,1122.13 170.09,1159.18 170.09,1740 169.74,1742.61 169.45,1743.32 168.74,1745.04 167.13,1747.13 145.09,1769.18 145.09,1835.82 149.18,1839.91 235,1839.91 235.73,1840.01
DCBUS on PWR03 (split plane): 153 vertices, not listed, extent 310.09,90.09 3459.91,3169.91
VCC on PWR03 (split plane): 3513.21,18.06 10.1,18.06 10.1,3521.18 3513.21,3521.18

## Other copper
GND02 (plane layer: these items are gaps in the copper):
  lines w10: 510,215 680,45 2990,45 3010,65 3010,95 3090,175 3180,175 3330,325 3330,435 3310,455 2780,455 2650,325 2415,325 2335,405 2335,995 2385,1045 2385,2250 2410,2275 2410,2310 2410,3025 2450,3065 3350,3065 3370,3085 3370,3220 3355,3235 2405,3235 2245,3075 785,3075 760,3050 760,2280 770,2270 2195,2270 2240,2225 2240,1410 2225,1395 625,1395 510,1280 510,215